# Altium PCB CTRL V5.PcbDoc (part 1 of 3) (continued)
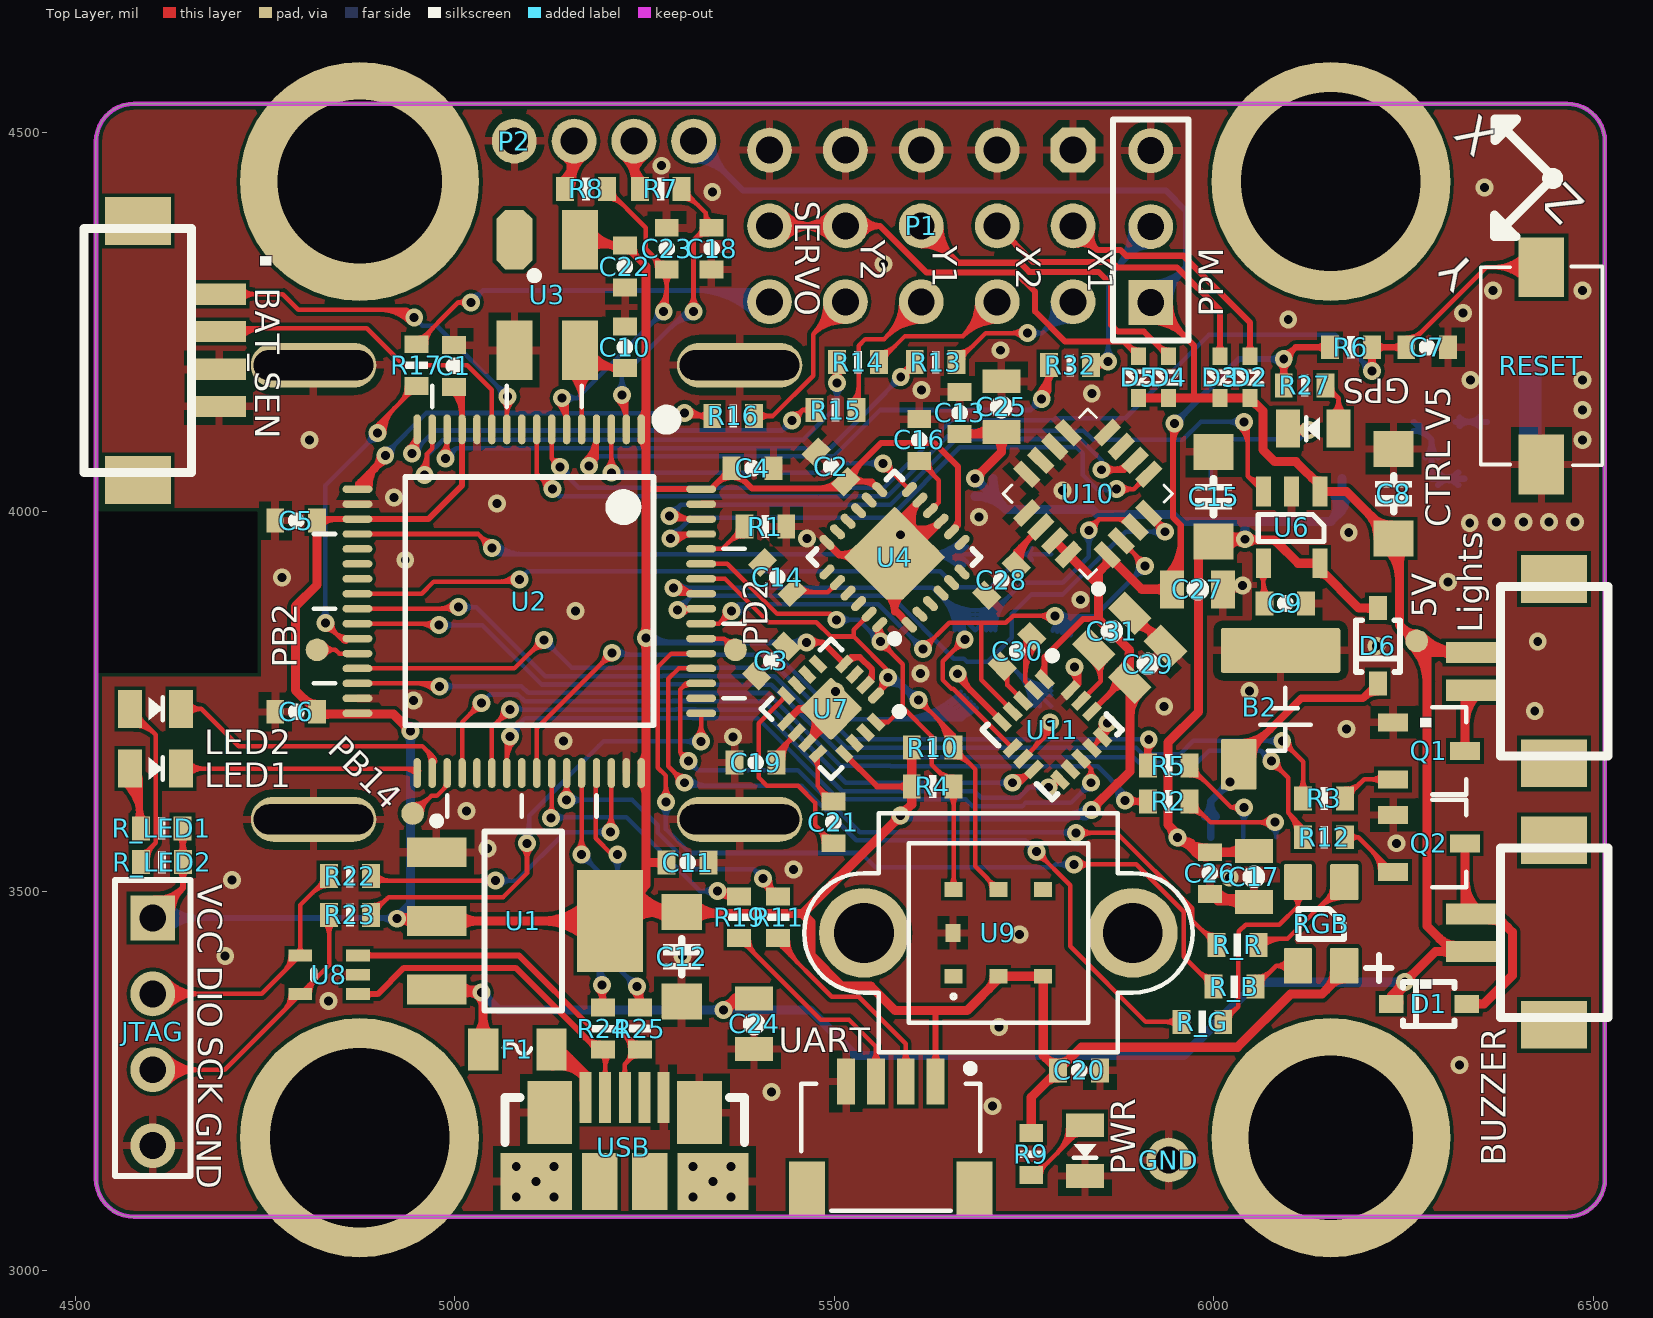
[diagram p0: Top Layer view]
## Part data (continued)
BUZZER Lights: "Header, 2-Pin"
C1 C2 C3 C4 C5 C6 C7 C9 C10 C11 C13 C14 C16 C17 C18 C19 C20 C21 C22 C23 C24 C25 C26 C27 C28 C29 C30 C31: library part Cap, "无极性Cap"
C8 C12 C15: library part Cap_p, "有极性Cap"
D1 D2 D3 D4 D5 D6: library part DIODE, "Diode"
F1: "熔断器"
L1: library part Inductor, "电感"
M1: "无线模块E01-ML01DP5"
P1: library part "PIN HDR3x5"
P40: "IPEX天线座"
PPM: library part "PIN HDR 1X3"
Q1 Q2: "NPN三极管"
R1 R3 R4 R6 R9 R10 R11 R12 R13 R14 R15 R16 R17 R19 R22 R23 R24 R25 R26 R27 R32 R_B R_G R_LED1 R_LED2 R_R: library part Res, "Resistor"
R2 R5 R7 R8: library part RES, "Resistor"
RGB: library part LED-RGB-4PIN
U1: library part AMS1117
U3: library part XTAL-5032-4P, "4PIN-5032晶振"
U4: "dscrps三轴陀螺仪加速度计"
U5: "GPS"
U7: "地磁计"
U9: "Special BOSCH pressure sensor"
U10: library part L3G4200DH-LL, "<h3>L3G4200DH - Digital 3-axis Gyroscope</h3> /  / The L3G4200DH is a low-power three-axis  / angular rate sensor. The L3G4200DH has a full scale of ±250/±500/  / ±2000 dps and is capable of measuring rates with  / a user-selectable bandwidth. It can operate within a  / temperature range from -40 °C to +85 °C. Supply voltage: 2.4 V to 3.6 V. Full datasheet:<br /><br /> / <a href=\"http://www.st.com/stonline/products/literature/ds/17300.pdf\">L3G4200DH Datasheet</a>"
U11: "<b>LSM303D Ultra compact high performance e-compass: 3D accelerometer and 3D magnetometer module</b>"

## Free pads (board coordinates)
  round 314.96 hole 236.22 unplated: 0(4875,3175)
  round 314.96 hole 216.54: 0(4875,4434.84) 0(6154.53,3175)
  round 314.96 hole 236.22: 0(6154.53,4434.84)

## Via types
v1: diameter 23.62, hole 11.81, Top Layer to Bottom Layer, 160 vias

## Nets (pads, with @x,y where several pads share a name; then routed paths per layer and width w, separated by ;. In a path a pad name is that pad's centre, name@x,y a point inside that pad or via, vN(x,y) a via of type N, cw(c..) or ccw(c..) an arc to the next point about the centre after c; other vN are vias at no path point)
3V3: C1.1 C2.1 C3.2 C4.2 C5.2 C6.1 C11.2 C12.A C20.2 C22.2 C27.2 C29.2 JTAG.1 R4.2 R6.1 R9.1 R10.2 R27.2 R_LED1.1 R_LED2.1 RGB.VCC U1.2 U1.4 U2.1 U2.13 U2.19 U2.32 U2.48 U2.64 U3.4 U4.8 U4.13 U7.2 U7.4 U7.13 U9.2 U9.3 U10.1 U10.15 U10.16 U11.1 U11.14 UART.1 | length 9995.3
  Top Layer w8: JTAG.1@4602.36,3464.57 4642.11,3504.31 ; JTAG.1@4603.54,3482.05 ccw(c4605.8,3515.71) 4629.65,3491.86 ccw(c4653.5,3468.01) JTAG.1@4619.85,3465.74 ; JTAG.1@4604.08,3490.04 ccw(c4607.37,3539.05) 4642.11,3504.31 ; JTAG.1@4627.83,3466.28 cw(c4676.84,3469.58) 4642.11,3504.31 ; R_LED1.1@4636.21,3573.22 cw(c4622.87,3559.88) 4641.73,3559.88 cw(c4660.59,3559.88) R_LED1.1@4647.26,3573.22 ; R_LED2.1@4636.59,3528.6 cw(c4623.25,3515.27) 4642.11,3515.27 cw(c4660.97,3515.27) R_LED2.1@4647.63,3528.6 ; R_LED2.1@4636.59,3547.52 ccw(c4624.17,3559.94) 4641.73,3559.94 ; 4641.73,3561.77 ccw(c4661.88,3561.77) R_LED2.1@4647.63,3547.52 ; R_LED1.1@4641.73,3582.68 4641.73,3538.44 R_LED2.1@4642.11,3538.06 4642.11,3504.31 ; C5.2@4818.9,3988.19 4820.87,3990.16 U2.19@4872.05,3990.16 4965.55,3990.16 5009.84,4034.45 U2.13@5009.84,4108.27 C1.1@5009.84,4164.37 ; C5.2@4824.42,3982.67 cw(c4842.51,3964.58) 4842.51,3990.16 ; C5.2@4824.42,3993.71 ccw(c4833,4002.3) 4833,3990.16 ; C1.1@4997.43,4158.85 cw(c4967.46,4128.88) 5009.84,4128.88 ; C1.1@5003.09,4164.5 cw(c4986.78,4148.19) 5009.84,4148.19 ; U3.4@5165.35,4358.27 5173.23,4350.39 C22.2@5224.41,4350.39 ; U3.4@5168.13,4360.6 ccw(c5190.04,4379.03) 5190.04,4350.39 ; U3.4@5174.25,4365.75 ccw(c5207.23,4393.48) 5207.23,4350.39 ; U3.4@5179.23,4344.39 cw(c5193.72,4329.91) 5193.72,4350.39 ; U3.4@5180.37,4370.9 ccw(c5224.41,4407.93) C22.2@5224.41,4350.39 ; C22.2@5214.95,4344.87 ccw(c5201.62,4331.54) 5201.62,4350.39 ccw(c5201.62,4369.25) C22.2@5214.95,4355.92 ; C22.2@5228.35,4342.58 cw(c5228.35,4333.23) C22.2@5234.96,4339.84 ; C22.2@5236.16,4350.39 ccw(c5264.52,4350.4) 5244.47,4330.34 ; 5252.11,4029.53 5252.25,4029.67 5324.66,4029.67 U2.64@5324.8,4029.53 5337.6,4029.53 C4.2@5365.16,4057.09 5391.73,4030.51 5506.49,4030.51 C2.1@5515.55,4039.57 ; 5252.11,4322.69 C22.2@5224.41,4350.39 ; U2.64@5340.49,4029.53 cw(c5347.47,4029.53) 5342.53,4034.46 ; 5345.1,4037.03 cw(c5365.16,4016.98) 5365.16,4045.34 cw(c5365.16,4016.98) 5385.21,4037.03 ; C4.2@5354.61,4046.54 ccw(c5347.99,4053.15) C4.2@5357.35,4053.15 ; C4.2@5372.97,4053.15 ccw(c5382.32,4053.15) C4.2@5375.71,4046.54 ; v1(5463.58,3827.76) 5485.02,3827.76 5490.14,3822.64 U7.4@5513.46,3799.32 5522.22,3808.07 5534.14,3808.07 5550.2,3792.01 5550.2,3790.26 5550.06,3790.12 ; v1@5469.11,3822.23 cw(c5482.44,3808.9) 5482.44,3827.76 cw(c5482.44,3846.61) v1@5469.11,3833.28 ; 5478.77,4030.51 ccw(c5478.77,4070.78) C2.1@5507.24,4042.31 ; 5498.08,4030.51 ccw(c5498.08,4051.47) C2.1@5512.9,4036.65 ; U7.13@5513.46,3681 5556.67,3637.8 R4.2@5602.36,3637.8 ; U7.4@5518.99,3802.14 cw(c5533.29,3787.84) 5533.29,3808.07 ; C2.1@5523.86,4036.83 cw(c5530.47,4030.22) C2.1@5530.47,4039.57 ; C2.1@5523.86,4047.88 ccw(c5543.91,4067.93) 5543.91,4039.57 ; C2.1@5526.14,4042.35 cw(c5555.69,4042.35) 5534.8,4063.25 ; 5537.48,4039.57 cw(c5537.48,4015.19) U4.13@5554.71,4032.43 ; U7.2@5541.3,3771.48 5550.06,3780.23 5550.06,3790.12 ; U7.2@5544.21,3777.08 ccw(c5532.6,3790.12) 5550.06,3790.12 ; U4.13@5560.24,4029.04 5549.71,4039.57 C2.1@5515.55,4039.57 ; R4.2@5596.84,3632.27 ccw(c5583.5,3618.94) 5583.5,3637.8 ccw(c5583.5,3656.65) R4.2@5596.84,3643.32 ; UART.1@5628.33,3273.24 ccw(c5615,3286.57) 5633.86,3286.57 ccw(c5652.72,3286.57) UART.1@5639.38,3273.24 ; 5631.89,3342.52 5633.86,3340.55 UART.1@5633.86,3249.02 ; U4.8@5654.89,3973.37 5663.39,3981.86 5663.39,4059.06 5631.89,4090.55 5562.1,4090.55 5515.55,4044 C2.1@5515.55,4039.57 ; U4.8@5658.27,3978.89 ccw(c5645.93,3991.23) 5663.39,3991.23 ; U11.1@5771.18,3785.39 ccw(c5755.82,3800.75) 5777.55,3800.75 ; U11.1@5777.55,3779.02 5777.55,3808.06 5827.76,3858.27 5848.42,3858.27 ; U11.14@5839.73,3736.64 5874.57,3771.48 C29.2@5889.76,3771.48 ; 5861.38,3758.29 ccw(c5837.91,3781.76) C29.2@5871.1,3781.76 ; 5866.21,3763.12 cw(c5882.85,3746.48) C29.2@5882.85,3770.02 ; C29.2@5885.65,3771.48 C29.2@5889.39,3775.22 ; C27.2@5937.09,3915.2 ccw(c5889.44,3962.85) 5956.83,3962.85 ; C27.2@5942.75,3909.54 ccw(c5908.75,3943.54) 5956.83,3943.54 ; v1@5943.29,4110.62 cw(c5934.71,4102.04) 5946.85,4102.04 ; C27.2@5945.4,3897.64 5956.69,3908.93 5956.83,3909.07 5956.83,3982.05 5946.85,3992.03 5946.85,4114.17 v1(5948.82,4116.14) ; 5946.85,4092.53 cw(c5972.43,4092.53) v1@5954.34,4110.62 ; C27.2@5948.41,3903.88 ccw(c5928.07,3924.23) 5956.83,3924.23 ; R27.2@6087,4175.8 ccw(c6073.66,4189.13) 6092.52,4189.13 ccw(c6111.38,4189.13) R27.2@6098.04,4175.8 ; v1@6087,4195.26 cw(c6073.66,4181.93) 6092.52,4181.93 cw(c6111.38,4181.93) v1@6098.04,4195.26 ; v1@6087.91,4194.48 cw(c6082.54,4187.11) 6091.35,4184.75 ; v1@6088.61,4194.02 cw(c6084.33,4186.61) 6092.6,4188.83 ; 6092.44,4188.83 cw(c6100.71,4186.61) v1@6096.43,4194.02 ; R27.2@6092.52,4166.34 v1(6092.52,4200.79) 6108.27,4216.53 R6.1@6153.54,4216.53 ; v1@6092.52,4208.6 ccw(c6092.52,4227.46) 6105.85,4214.12 ccw(c6119.19,4200.79) v1@6100.33,4200.79 ; 6093.69,4184.75 cw(c6102.5,4187.11) v1@6097.13,4194.48 ; R6.1@6148.02,4211.01 ccw(c6134.69,4197.68) 6134.69,4216.53 ccw(c6134.69,4235.39) R6.1@6148.02,4222.06
  Top Layer w10: v1@4928.37,3463.58 ccw(c4928.37,3488.95) U1.2@4946.31,3471.01 ; v1@4928.55,3468.83 ccw(c4936.16,3478.03) U1.2@4939.25,3466.5 ; v1@4928.8,3458.55 cw(c4934.17,3452.67) 4936.23,3460.36 cw(c4938.29,3468.05) v1@4930.7,3465.64 ; v1@4929.03,3458.77 cw(c4940.66,3447.14) 4940.66,3463.58 cw(c4940.66,3480.03) v1@4929.03,3468.4 ; v1@4930.11,3460.18 cw(c4941.17,3453.79) U1.2@4937.87,3466.13 ; U1.2@4944.38,3452.63 ccw(c4924.21,3439.54) v1(4924.21,3463.58) 4973.43,3463.58 U1.2@4976.38,3460.63
  Top Layer w12: 4802.26,3752.86 ccw(c4818.9,3769.5) C6.1@4818.9,3745.97 ; C5.2@4814.79,3980.14 cw(c4804.87,3970.22) 4818.9,3970.22 cw(c4832.93,3970.22) C5.2@4823.01,3980.14 ; C5.2@4818.9,3988.19 4818.9,3903.54 4790.35,3875 4790.35,3764.76 C6.1@4818.9,3736.22 4821.85,3733.27 4919.29,3733.27 v1(4941.93,3710.63) ; C6.1@4823.01,3728.17 cw(c4835.31,3715.88) 4835.31,3733.27 ; v1@4936.12,3710.63 ccw(c4922.09,3710.63) 4932.01,3720.55 ccw(c4941.93,3730.47) v1@4941.93,3716.44 ; U1.2@4976.38,3460.63 U1.4@5204.72,3460.63 U1.4@5216.54,3472.44 ; U1.2@5005.74,3450.95 cw(c5029.1,3427.59) 5029.1,3460.63 cw(c5029.1,3493.67) U1.2@5005.74,3470.31 ; U1.4@5178.34,3434.25 ccw(c5114.66,3370.56) 5114.66,3460.63 ccw(c5114.66,3550.7) U1.4@5178.34,3487.01 ; U1.4@5186.83,3442.74 ccw(c5143.63,3399.53) 5143.63,3460.63 ccw(c5143.63,3521.73) U1.4@5186.83,3478.52 ; U1.4@5215.62,3491.9 ccw(c5253.04,3518.17) 5253.04,3472.44 ; U1.4@5225.44,3498.79 ccw(c5276.12,3534.37) C12.A@5276.12,3472.44 ; U1.4@5231.1,3457.87 cw(c5266.28,3422.7) 5266.28,3472.44 ; U1.4@5235.26,3505.69 ccw(c5299.21,3550.57) C12.A@5299.21,3472.44 ; U1.4@5242.03,3484.25 cw(c5275.07,3484.25) 5251.71,3507.61 ; U2.48@5246.83,3641.51 cw(c5234.07,3628.75) 5252.11,3628.75 ; U2.48@5246.83,3669.51 ccw(c5234.07,3682.27) 5252.11,3682.27 ; U2.1@5246.83,4094.27 cw(c5234.07,4081.51) 5252.11,4081.51 ; U2.1@5246.83,4122.27 ccw(c5234.07,4135.03) 5252.11,4135.03 ; v1@5248,3829.55 cw(c5238.08,3819.63) 5252.11,3819.63 cw(c5266.14,3819.63) v1@5256.22,3829.55 ; v1@5248,3837.77 ccw(c5238.08,3847.69) 5252.11,3847.69 ccw(c5266.14,3847.69) v1@5256.22,3837.77 ; 5252.11,4322.69 5252.11,4029.53 5252.11,3590.69 5252.11,3537.4 ; C11.2@5275.42,3533.29 ccw(c5265.5,3523.37) 5265.5,3537.4 ccw(c5265.5,3551.43) C11.2@5275.42,3541.51 ; C11.2@5279.53,3537.4 5252.11,3537.4 ; C12.A@5283.8,3459.98 ccw(c5253.72,3429.9) 5253.72,3472.44 ccw(c5253.72,3514.99) C12.A@5283.8,3484.9 ; C12.A@5314.63,3459.98 cw(c5339.53,3435.07) 5339.53,3470.3 ; C12.A@5314.63,3484.9 ccw(c5349.88,3520.16) 5349.88,3470.3 ; v1@5581.79,3599.41 cw(c5567.76,3599.41) 5577.68,3589.49 cw(c5587.6,3579.57) v1@5587.6,3593.6 ; v1@5587.6,3605.22 ccw(c5587.6,3619.25) 5597.52,3609.33 ccw(c5607.44,3599.41) v1@5593.41,3599.41 ; R4.2@5598.25,3629.75 cw(c5588.33,3619.83) 5602.36,3619.83 cw(c5616.39,3619.83) R4.2@5606.47,3629.75 ; R4.2@5598.25,3645.84 ccw(c5588.33,3655.76) 5602.36,3655.76 ccw(c5616.39,3655.76) R4.2@5606.47,3645.84 ; R10.2@5598.25,3680.93 cw(c5588.34,3671.01) 5602.36,3671.01 cw(c5616.4,3671.01) R10.2@5606.47,3680.93 ; R10.2@5602.36,3688.98 R4.2@5602.36,3637.8 5602.36,3614.17 v1(5587.6,3599.41) 5458.49,3470.3 ; 5703.83,3371.15 ccw(c5687.18,3387.8) U9.2@5710.72,3387.8 ; R9.1@5755.73,3185.21 ccw(c5745.81,3195.13) 5759.84,3195.13 ccw(c5773.87,3195.13) R9.1@5763.95,3185.21 ; R9.1@5759.84,3181.1 5759.84,3228.35 C20.2@5795.28,3263.78 ; 5778.64,3247.14 cw(c5795.28,3230.5) C20.2@5795.28,3254.03 ; 5778.64,3280.42 ccw(c5795.28,3297.06) 5795.28,3273.53 ccw(c5795.28,3297.06) 5811.92,3280.42 ; U10.15@5790.66,3961.54 U10.16@5808.76,3943.45 5848.43,3903.78 ; v1(5839.07,3606.79) 5839.07,3607.44 5873.71,3642.08 5874.37,3642.08 5889.76,3657.48 C29.2@5889.76,3771.48 ; v1@5839.07,3612.6 ccw(c5839.07,3625.06) 5847.88,3616.25 ; v1@5844.88,3606.79 cw(c5860.49,3606.79) 5849.46,3617.83 ; 5848.42,3858.27 5889.39,3817.3 ; 5848.43,3858.27 5848.43,3865.16 5848.43,3903.78 ; 5858.83,3930.68 cw(c5867.03,3922.49) U10.1@5867.03,3934.08 ; U10.1@5866.76,3934.1 ccw(c5865.66,3926.11) 5859.96,3931.81 ; C29.2@5876.49,3789.15 ccw(c5852.25,3817.3) 5889.39,3817.3 ; C29.2@5889.39,3775.22 5889.39,3817.3 ; 5889.76,3730.24 cw(c5934.37,3730.24) C29.2@5902.83,3761.79 ; C27.2@5938.51,3890.75 ccw(c5921.87,3874.1) 5921.87,3897.64 ccw(c5921.87,3921.17) C27.2@5938.51,3904.53 ; C27.2@5945.4,3897.64 5905.48,3897.64 U10.1@5859.96,3943.15 5859.96,3931.81 ; 6148.47,3369.93 ccw(c6121.75,3396.65) RGB.VCC@6159.54,3396.65 ; 6155.6,3377.06 cw(c6172.24,3360.42) RGB.VCC@6172.24,3383.95 ; RGB.VCC@6172.24,3401.57 6172.24,3393.7 6142.72,3364.17 6101.38,3364.17 6031.5,3294.29 5825.79,3294.29 C20.2@5795.28,3263.78 ; U1.4@5216.54,3472.44 5252.11,3508.02 5252.11,3537.4 ; U1.4@5216.54,3472.44 C12.A@5299.21,3472.44 ; C12.A@5299.21,3472.44 5301.36,3470.3 5458.49,3470.3 ; 5458.49,3470.3 5469.31,3459.47 5469.31,3415.86 5510.35,3374.83 5548.4,3374.83 5580.71,3342.52 5631.89,3342.52 5675.2,3342.52 5716.53,3383.86 U9.2@5716.53,3387.8 U9.3@5775.59,3387.8 5775.59,3283.47 C20.2@5795.28,3263.78 ; 5848.43,3903.78 5848.43,3920.28 5859.96,3931.81
  Bottom Layer w8: JTAG.1@4602.36,3464.57 v1@4924.21,3464.57 ; JTAG.1@4614.76,3452.17 cw(c4644.68,3422.25) 4644.68,3464.57 cw(c4644.68,3506.88) JTAG.1@4614.76,3476.96 ; JTAG.1@4620.41,3446.52 cw(c4663.99,3402.94) 4663.99,3464.57 cw(c4663.99,3526.19) JTAG.1@4620.41,3482.62 ; 4902.98,3464.57 cw(c4902.98,3442.35) v1@4918.69,3458.06 ; 4907.73,3464.57 ccw(c4907.73,3480.07) v1@4918.69,3469.11 ; v1@5251.98,3833.53 ccw(c5265.91,3847.46) 5265.91,3827.76 ; v1(5252.11,3833.66) 5258.02,3827.76 v1(5463.58,3827.76) ; v1@5257.64,3839.18 ccw(c5285.23,3866.78) 5285.23,3827.76 ; v1@5458.06,3822.23 ccw(c5444.73,3808.9) 5444.73,3827.76 ccw(c5444.73,3846.61) v1@5458.06,3833.28 ; v1(5948.82,4116.14) 6033.46,4200.79 v1(6092.52,4200.79) ; v1@5948.82,4123.95 ccw(c5948.82,4142.81) 5962.15,4129.48 ccw(c5975.49,4116.14) v1@5956.63,4116.14 ; v1@6087,4195.26 ccw(c6073.66,4181.93) 6073.66,4200.79 ccw(c6073.66,4219.65) v1@6087,4206.31
  Bottom Layer w12: v1@4924.21,3464.57 4941.93,3482.28 v1(4941.93,3710.63) ; v1@4924.21,3469.39 ccw(c4924.21,3481.05) 4932.45,3472.81 ; v1@4930.02,3463.58 cw(c4946.43,3463.58) 4934.83,3475.18 ; v1@4937.82,3706.52 cw(c4927.9,3696.6) 4941.93,3696.6 cw(c4955.96,3696.6) v1@4946.04,3706.52 ; v1(5587.6,3599.41) 5589.1,3597.91 5807.77,3597.91 5809.06,3599.19 5809.45,3599.58 ; v1@5591.71,3603.52 ccw(c5605.26,3617.07) 5605.26,3597.91 ; v1@5834.79,3610.72 cw(c5809.45,3633.98) 5809.45,3599.58 ; v1(5839.07,3606.79) 5831.47,3599.19 5828.74,3599.19 5828.35,3599.58 5809.45,3599.58
5V: 5V.1 +5V.1 BUZZER.1 C8.A C24.2 D1.C D2.C D3.C D4.C D5.C F1.1 Lights.2 PPM.1 U1.3 U6.1 | length 5115.5
  Top Layer w8: PPM.1@5917.32,4250.06 cw(c5917.32,4188.43) 5960.9,4232.01 cw(c6004.48,4275.59) PPM.1@5942.85,4275.59 ; PPM.1@5917.32,4258.06 cw(c5917.32,4215.75) 5947.24,4245.67 cw(c5977.16,4275.59) PPM.1@5934.85,4275.59 ; PPM.1@5917.32,4275.59 5974.41,4218.5 5974.41,4149.61
  Top Layer w12: U1.3@4976.38,3370.08 4980.32,3366.14 v1(5035.43,3366.14) ; U1.3@5005.74,3360.4 cw(c5019.6,3346.54) 5019.6,3366.14 ; U1.3@5006.27,3379.2 ccw(c5035.43,3405.25) v1(5035.43,3366.14) ; F1.1@5027.78,3308.74 ccw(c5003.88,3332.64) 5037.68,3332.64 ccw(c5071.48,3332.64) F1.1@5047.58,3308.74 ; v1@5030.4,3363.24 ccw(c5018.25,3356.22) 5021.88,3369.77 ccw(c5025.51,3383.33) v1@5032.53,3371.17 ; v1@5031.32,3362.03 cw(c5015.99,3346.7) 5037.68,3346.7 ; v1@5031.33,3362.03 ccw(c5021.4,3352.11) 5021.4,3366.14 ccw(c5021.4,3380.17) v1@5031.33,3370.25 ; F1.1@5037.68,3291.34 5037.68,3363.9 v1(5035.43,3366.14) ; v1@5354.33,3349.32 ccw(c5354.33,3363.34) 5364.25,3353.42 ccw(c5374.17,3343.5) v1@5360.14,3343.5 ; v1@5355.95,3349.08 ccw(c5359.6,3361.64) 5366.13,3350.32 ccw(c5372.67,3339) v1@5359.97,3342.12 ; 5367.59,3356.76 cw(c5380.09,3344.25) C24.2@5386.21,3360.84 ; C24.2@5376.74,3354.32 ccw(c5369.56,3350.68) 5369.56,3358.73 ; C24.2@5376.74,3363.14 cw(c5369.56,3366.78) 5369.56,3358.73 ; C24.2@5382.06,3349.59 ccw(c5372.95,3324.89) v1(5354.33,3343.5) 5369.56,3358.73 ; C24.2@5394.69,3358.73 5369.56,3358.73 ; D5.C@5901.34,4149.61 D4.C@5940.71,4149.61 5974.41,4149.61 D3.C@6008.62,4149.61 D2.C@6047.99,4149.61 6064.96,4132.64 6064.96,4081.69 6080.71,4065.94 6108.48,4065.94 6140.36,4034.06 U6.1@6140.36,4026.38 6175.39,4026.38 C8.A@6237.21,3964.57 ; D2.C@6047.99,4143.8 cw(c6047.99,4129.77) 6057.91,4139.69 ; 6130.11,4044.31 ccw(c6140.36,4054.56) U6.1@6140.36,4040.06 ; 6202.08,3999.69 cw(c6166.96,3964.57) C8.A@6216.63,3964.57 ; 6209.21,3992.56 ccw(c6234.25,4017.6) C8.A@6234.25,3982.19 ; C8.A@6227.7,3952.11 cw(c6185.74,3910.14) 6245.08,3910.14 ; D1.C@6232.41,3350.05 cw(c6247.64,3353.52) 6236.59,3364.56 ; D1.C@6234.26,3351.38 6234.26,3362.22 v1(6251.96,3379.93) ; C8.A@6236.18,3960.59 cw(c6214.71,3939.12) 6245.08,3939.12 ; D1.C@6244.11,3352.71 cw(c6272.68,3359.21) v1(6251.96,3379.93) ; 6245.08,3933.9 cw(c6270.82,3933.9) C8.A@6252.62,3952.11 ; C8.A@6245.08,3964.57 6245.08,3850.39 6281.1,3814.37 ; v1@6246.15,3379.93 cw(c6232.12,3379.93) 6242.04,3370.01 cw(c6251.96,3360.09) v1@6251.96,3374.12 ; v1@6246.35,3378.42 cw(c6232.8,3374.79) 6244.95,3367.78 cw(c6257.1,3360.76) v1@6253.47,3374.32 ; 6248.99,3846.48 ccw(c6267.72,3865.2) 5V.1@6267.72,3838.72 ; v1@6251.96,3385.74 ccw(c6251.96,3399.77) 6261.88,3389.85 ccw(c6271.8,3379.93) v1@6257.77,3379.93 ; 6253.74,3841.73 cw(c6241.74,3829.72) 5V.1@6258.72,3829.72 ; 5V.1@6261.35,3823.36 cw(c6213.67,3775.68) 6281.1,3775.68 ; 5V.1@6265.59,3827.6 ccw(c6297.54,3859.55) 6297.54,3814.37 ; 5V.1@6267.72,3820.72 cw(c6267.72,3803.75) 6279.72,3815.75 ; 5V.1@6269.84,3831.85 cw(c6242.64,3804.65) 6281.1,3804.65 ; 5V.1@6274.08,3836.09 ccw(c6326.51,3888.52) Lights.2@6326.51,3814.37 ; 5V.1@6276.6,3828.29 ccw(c6292.46,3825.73) 6281.1,3814.37 ; 6297.42,3437.81 ccw(c6320.45,3460.84) BUZZER.1@6320.45,3428.28 ; BUZZER.1@6314.8,3414.62 ccw(c6301.14,3400.96) 6301.14,3420.28 ccw(c6301.14,3439.59) BUZZER.1@6314.8,3425.93 ; Lights.2@6314.8,3808.71 ccw(c6301.14,3795.06) 6301.14,3814.37 ccw(c6301.14,3833.68) Lights.2@6314.8,3820.03 ; Lights.2@6341.95,3814.37 6281.1,3814.37 ; v1(6251.96,3379.93) 6292.31,3420.28 6314.96,3420.28 6281.1,3454.13 6281.1,3814.37
  Bottom Layer w8: +5V.1@5314.96,4462.66 cw(c5314.96,4401.03) 5358.54,4444.61 cw(c5402.12,4488.19) +5V.1@5340.49,4488.19 ; +5V.1@5314.96,4470.66 cw(c5314.96,4428.35) 5344.88,4458.27 cw(c5374.8,4488.19) +5V.1@5332.49,4488.19 ; +5V.1@5314.96,4488.19 5379.92,4423.23 5937.01,4423.23 5963.58,4396.65 5963.58,4321.85 PPM.1@5917.32,4275.59 ; PPM.1@5917.32,4293.12 ccw(c5917.32,4335.43) 5947.24,4305.51 ccw(c5977.16,4275.59) PPM.1@5934.85,4275.59 ; PPM.1@5917.32,4301.12 ccw(c5917.32,4362.75) 5960.9,4319.17 ccw(c6004.48,4275.59) PPM.1@5942.85,4275.59
  Bottom Layer w12: v1@5035.43,3360.33 cw(c5035.43,3346.3) 5045.35,3356.22 cw(c5055.27,3366.14) v1@5041.24,3366.14 ; v1(5035.43,3366.14) 5058.07,3343.5 v1(5354.33,3343.5) 5468.5,3343.5 5528.72,3283.29 5960.45,3283.29 6057.09,3379.93 v1(6251.96,3379.93) ; v1@5350.22,3339.4 ccw(c5340.3,3329.47) 5340.3,3343.5 ccw(c5340.3,3357.53) v1@5350.22,3347.61 ; v1@5358.44,3339.4 cw(c5368.36,3329.47) 5368.36,3343.5 cw(c5368.36,3357.53) v1@5358.44,3347.61 ; v1@6247.85,3375.82 ccw(c6237.93,3365.9) 6237.93,3379.93 ccw(c6237.93,3393.96) v1@6247.85,3384.04
A\C\C\E\L\_\M\A\G\_\C\S\: U2.36 U11.8 | length 1020.1
  Top Layer w6: U2.36@5009.84,3655.51 5009.84,3722.44 v1(5035.43,3748.03) ; v1@5026.62,3748.03 cw(c5005.35,3748.03) 5020.39,3732.99 cw(c5035.43,3717.95) v1@5035.43,3739.22 ; v1(5735.24,3642.72) 5745.8,3642.72 U11.8@5763.4,3660.32 cw(c5741.14,3682.58) v1@5736.53,3651.43 ; v1@5735.65,3645.5 ccw(c5738.96,3667.89) U11.8@5754.97,3651.88 ; U11.8@5755.45,3655.37 cw(c5748.21,3655.37) 5753.33,3650.25 cw(c5758.45,3645.13) U11.8@5758.45,3652.37
  Bottom Layer w6: v1(5035.43,3748.03) 5046.39,3758.99 5083.53,3758.99 5092.52,3750 5287.33,3750 5287.8,3750.47 5322.44,3750.47 5322.91,3750 5408.25,3750 5515.53,3642.72 v1(5735.24,3642.72) ; v1@5729.01,3636.49 ccw(c5713.96,3621.44) 5713.96,3642.72 ccw(c5713.96,3663.99) v1@5729.01,3648.95
ACCEL_DRDY: U2.39 U11.11 | length 1093.8
  Top Layer w6: v1@5066.6,3697.51 cw(c5061.06,3691.97) 5068.9,3691.97 ; U2.39@5068.9,3655.51 5068.9,3699.8 v1(5072.83,3703.74) ; U2.39@5068.9,3672.97 cw(c5103.61,3672.97) v1@5079.06,3697.51 ; 5068.9,3687.45 cw(c5089.12,3687.45) v1@5074.82,3701.75 ; U11.11@5825.59,3674.41 5838.58,3661.42 ; U11.11@5830.54,3666.46 cw(c5830.54,3659.22) 5835.66,3664.34 cw(c5840.78,3669.46) U11.11@5833.54,3669.46 ; v1@5832.97,3649.51 ccw(c5823.14,3661.42) 5838.58,3661.42 ; v1(5838.58,3642.72) 5838.58,3661.42 ; v1@5844.19,3649.51 cw(c5854.02,3661.42) 5838.58,3661.42
  Bottom Layer w6: v1(5072.83,3703.74) 5072.83,3707.68 5093.16,3728 5296.44,3728 5296.91,3728.47 5313.32,3728.47 5313.8,3728 5399.13,3728 5506.42,3620.72 5673.58,3620.72 5682.39,3611.91 5748,3611.91 5752.23,3616.14 5812.01,3616.14 v1(5838.58,3642.72) ; v1@5072.83,3712.55 ccw(c5072.83,3724.32) 5081.15,3716 ; v1@5075.65,3703.74 cw(c5091.94,3703.74) 5080.42,3715.26 ; v1@5081.64,3703.74 cw(c5112.42,3703.74) 5090.66,3725.5 ; v1@5829.77,3642.72 cw(c5808.5,3642.72) 5823.54,3627.67 cw(c5838.58,3612.63) v1@5838.58,3633.91
ADC_EN: BAT_SEN.1 U2.10 | length 698.5
  Top Layer w6: BAT_SEN.1@4689.54,4286.42 4773.62,4286.42 4794.29,4265.75 4895.67,4265.75 4937.01,4265.75 ; BAT_SEN.1@4718.82,4278.64 cw(c4737.6,4259.86) 4737.6,4286.42 cw(c4737.6,4312.97) BAT_SEN.1@4718.82,4294.2 ; 4901.82,4265.75 cw(c4901.82,4210.87) v1@4940.62,4249.68 ; 4916.3,4265.75 cw(c4916.3,4225.36) v1@4944.86,4253.92 ; 4930.79,4265.75 cw(c4930.79,4239.84) v1@4949.11,4258.16 ; v1@4938.55,4258.87 ccw(c4932.35,4261.09) 4937.01,4265.75 ; v1@4943.88,4264.2 cw(c4941.67,4270.41) 4937.01,4265.75 ; v1(4946.85,4255.91) 4937.01,4265.75 ; v1@5063.65,4145.34 cw(c5050.99,4132.68) 5068.9,4132.68 ; U2.10@5068.9,4108.27 5068.9,4150.59 v1(5069.88,4151.57) ; U2.10@5068.9,4127.93 cw(c5093.53,4127.93) v1@5076.11,4145.34
  Bottom Layer w6: v1(4946.85,4255.91) 4957.68,4245.08 4976.38,4245.08 v1(5069.88,4151.57) ; v1@5061.07,4151.57 ccw(c5039.8,4151.57) 5054.84,4166.62 ccw(c5069.88,4181.66) v1@5069.88,4160.39
BAT_ADC: BAT_SEN.2 U2.11 | length 509.7
  Top Layer w6: BAT_SEN.2@4689.54,4237.2 4693.78,4241.44 4884.54,4241.44 4933.07,4192.91 5016.73,4192.91 5049.21,4160.43 U2.11@5049.21,4108.27 ; BAT_SEN.2@4714.58,4233.67 cw(c4733.34,4214.91) 4733.34,4241.44 ; BAT_SEN.2@4718.82,4229.43 cw(c4747.83,4200.42) 4747.83,4241.44 ; BAT_SEN.2@4718.82,4244.98 ccw(c4727.37,4253.53) 4727.37,4241.44
BLUE: R_B.2 U2.53 | length 1307.6
  Top Layer w6: v1@5272.31,3623.36 ccw(c5257.27,3638.4) 5278.54,3638.4 ccw(c5299.81,3638.4) v1@5284.77,3623.36 ; v1(5278.54,3617.13) 5278.54,3651.77 5267.72,3662.59 5267.72,3795.28 5285.43,3812.99 U2.53@5324.8,3812.99 ; v1(5816.25,3535.12) 5898.29,3535.12 5960.76,3472.66 5960.76,3413.26 R_B.2@6000,3374.02 ; v1@5822.48,3528.89 cw(c5837.53,3513.85) 5837.53,3535.12 cw(c5837.53,3556.4) v1@5822.48,3541.35 ; 5978.24,3395.78 ccw(c6000,3417.54) R_B.2@6000,3386.76 ; 5987.74,3386.27 cw(c5979.42,3377.95) R_B.2@5991.19,3377.95 ; R_B.2@5988.48,3385.54 ccw(c6000,3397.06) R_B.2@6000,3380.76
  Bottom Layer w6: v1@5272.31,3610.9 cw(c5257.27,3595.85) 5278.54,3595.85 cw(c5299.81,3595.85) v1@5284.77,3610.9 ; v1(5278.54,3617.13) 5278.54,3581.69 5310.04,3550.2 5535.43,3550.2 5554.13,3531.5 5788.39,3531.5 5792.01,3535.12 v1(5816.25,3535.12) ; v1@5810.02,3528.89 ccw(c5794.98,3513.85) 5794.98,3535.12 ccw(c5794.98,3556.4) v1@5810.02,3541.35
BUZZER: R12.2 U2.26 | length 1590.3
  Top Layer w6: U2.26@4872.05,3852.36 4977.36,3852.36 v1(4979.33,3850.39) ; 4953.31,3852.36 cw(c4953.31,3824.37) v1@4973.1,3844.16 ; 4962.81,3852.36 ccw(c4962.81,3866.91) v1@4973.1,3856.62 ; v1@6076.08,3662.63 cw(c6076.08,3641.36) 6091.13,3656.4 cw(c6106.17,3671.44) v1@6084.89,3671.44 ; v1(6076.08,3671.44) 6098.3,3649.22 6098.3,3602.99 ; 6108.08,3593.21 cw(c6090.59,3575.73) R12.2@6115.3,3574.9 ; R12.2@6109.3,3575.1 ccw(c6071.68,3576.37) 6098.3,3602.98 ; R12.2@6118.11,3570.87 6118.11,3583.17 6098.3,3602.99
  Bottom Layer w6: v1(4979.33,3850.39) 5036.61,3850.39 5114.84,3772.17 5278.38,3772.17 5278.69,3772.47 5331.55,3772.47 5332.02,3772 5417.36,3772 5512.75,3676.61 5894.46,3676.61 5902.08,3668.99 5978.05,3668.99 5994.1,3685.04 6062.48,3685.04 ; v1@4985.56,3844.16 cw(c5000.6,3829.12) 5000.6,3850.39 cw(c5000.6,3871.67) v1@4985.56,3856.62 ; v1@6067.3,3672.09 ccw(c6050.76,3673.31) 6062.49,3685.04 ; v1@6075.43,3680.23 cw(c6074.21,3696.76) 6062.49,3685.04 ; v1(6076.08,3671.44) 6062.48,3685.04
E01_CE: M1.3 U2.24 | length 1036.4
  Top Layer w6: U2.24@4872.05,3891.73 4872.17,3891.86 4956.69,3891.86 4972.32,3907.48 5082.68,3907.48 v1(5085.63,3910.43) ; U2.24@4888.17,3890.37 cw(c4891.75,3886.79) 4891.75,3891.86 ; 5057.23,3907.48 ccw(c5057.23,3938.83) v1@5079.4,3916.66 ; 5071.49,3907.48 cw(c5071.49,3896.29) v1@5079.4,3904.2 ; 5071.71,3907.48 ccw(c5071.71,3924.35) v1@5083.64,3912.42
  Bottom Layer w6: v1@5085.63,3915.35 v1(5085.63,3910.43) 5096.46,3921.26 5639.76,3921.26 5660.43,3900.59 5706.69,3900.59 5749.8,3943.7 ; M1.3@5760.49,3935.83 ccw(c5749.8,3932.51) 5749.8,3943.7 ; M1.3@5760.49,3951.57 cw(c5749.8,3954.89) 5749.8,3943.7 ; M1.3@5785.83,3943.7 5749.8,3943.7
E01_CSN: M1.4 U2.20 | length 1176.1
  Top Layer w6: U2.20@4872.05,3970.47 5030.93,3970.47 v1(5049.21,3952.19) ; v1@5040.4,3952.19 ccw(c5019.13,3952.19) 5034.17,3967.23 ccw(c5049.21,3982.27) v1@5049.21,3961
  Bottom Layer w6: v1@5046.96,3949.93 ccw(c5062,3964.98) 5062,3943.7 ; v1(5049.21,3952.19) 5057.7,3943.7 M1.4@5685.83,3943.7 ; v1@5051.2,3954.18 ccw(c5076.49,3979.47) 5076.49,3943.7 ; v1@5055.44,3958.42 ccw(c5090.98,3993.95) 5090.98,3943.7 ; M1.4@5667.07,3924.94 ccw(c5621.78,3879.66) 5621.78,3943.7 ccw(c5621.78,4007.74) M1.4@5667.07,3962.46 ; M1.4@5671.31,3929.18 ccw(c5636.27,3894.14) 5636.27,3943.7 ccw(c5636.27,3993.26) M1.4@5671.31,3958.22 ; M1.4@5675.55,3933.43 ccw(c5650.75,3908.63) 5650.75,3943.7 ccw(c5650.75,3978.77) M1.4@5675.55,3953.97
E01_IRQ: M1.8 U2.41 | length 1196.7
  Top Layer w6: U2.41@5108.27,3655.51 5108.27,3714.57 v1(5207.68,3813.98) ; v1@5198.87,3813.98 cw(c5177.59,3813.98) 5192.64,3798.94 cw(c5207.68,3783.89) v1@5207.68,3805.17
  Bottom Layer w6: v1(5207.68,3813.98) 5207.68,3811.45 5424.77,3811.45 5509.84,3726.38 5668.5,3726.38 M1.8@5675.39,3733.27 ; v1@5209.66,3815.96 ccw(c5220.55,3826.85) 5220.55,3811.45 ; v1@5213.91,3807.75 cw(c5222.86,3798.79) 5222.86,3811.45 ; v1@5213.91,3820.21 ccw(c5235.04,3841.34) 5235.04,3811.45 ; 5579.96,3726.38 ccw(c5579.96,3849.56) M1.8@5667.07,3762.46 ; 5594.45,3726.38 ccw(c5594.45,3835.08) M1.8@5671.31,3758.22 ; 5608.93,3726.38 ccw(c5608.93,3820.59) M1.8@5675.55,3753.97 ; 5623.42,3726.38 ccw(c5623.42,3806.11) M1.8@5679.8,3749.73 ; 5637.91,3726.38 ccw(c5637.91,3791.62) M1.8@5684.04,3745.49 ; 5652.39,3726.38 ccw(c5652.39,3777.14) M1.8@5688.28,3741.24